# Altium PCB PCB1.pcbdoc (part 2 of 3)
Units mil, origin at the board's own origin, x right, y up, seen from the top; angles counter-clockwise.
Board outline 13400.91 x 6761.77 mil, 2 copper layers (Top Layer, Bottom Layer); 395 components, 233 nets, 925 pads, 452 vias.
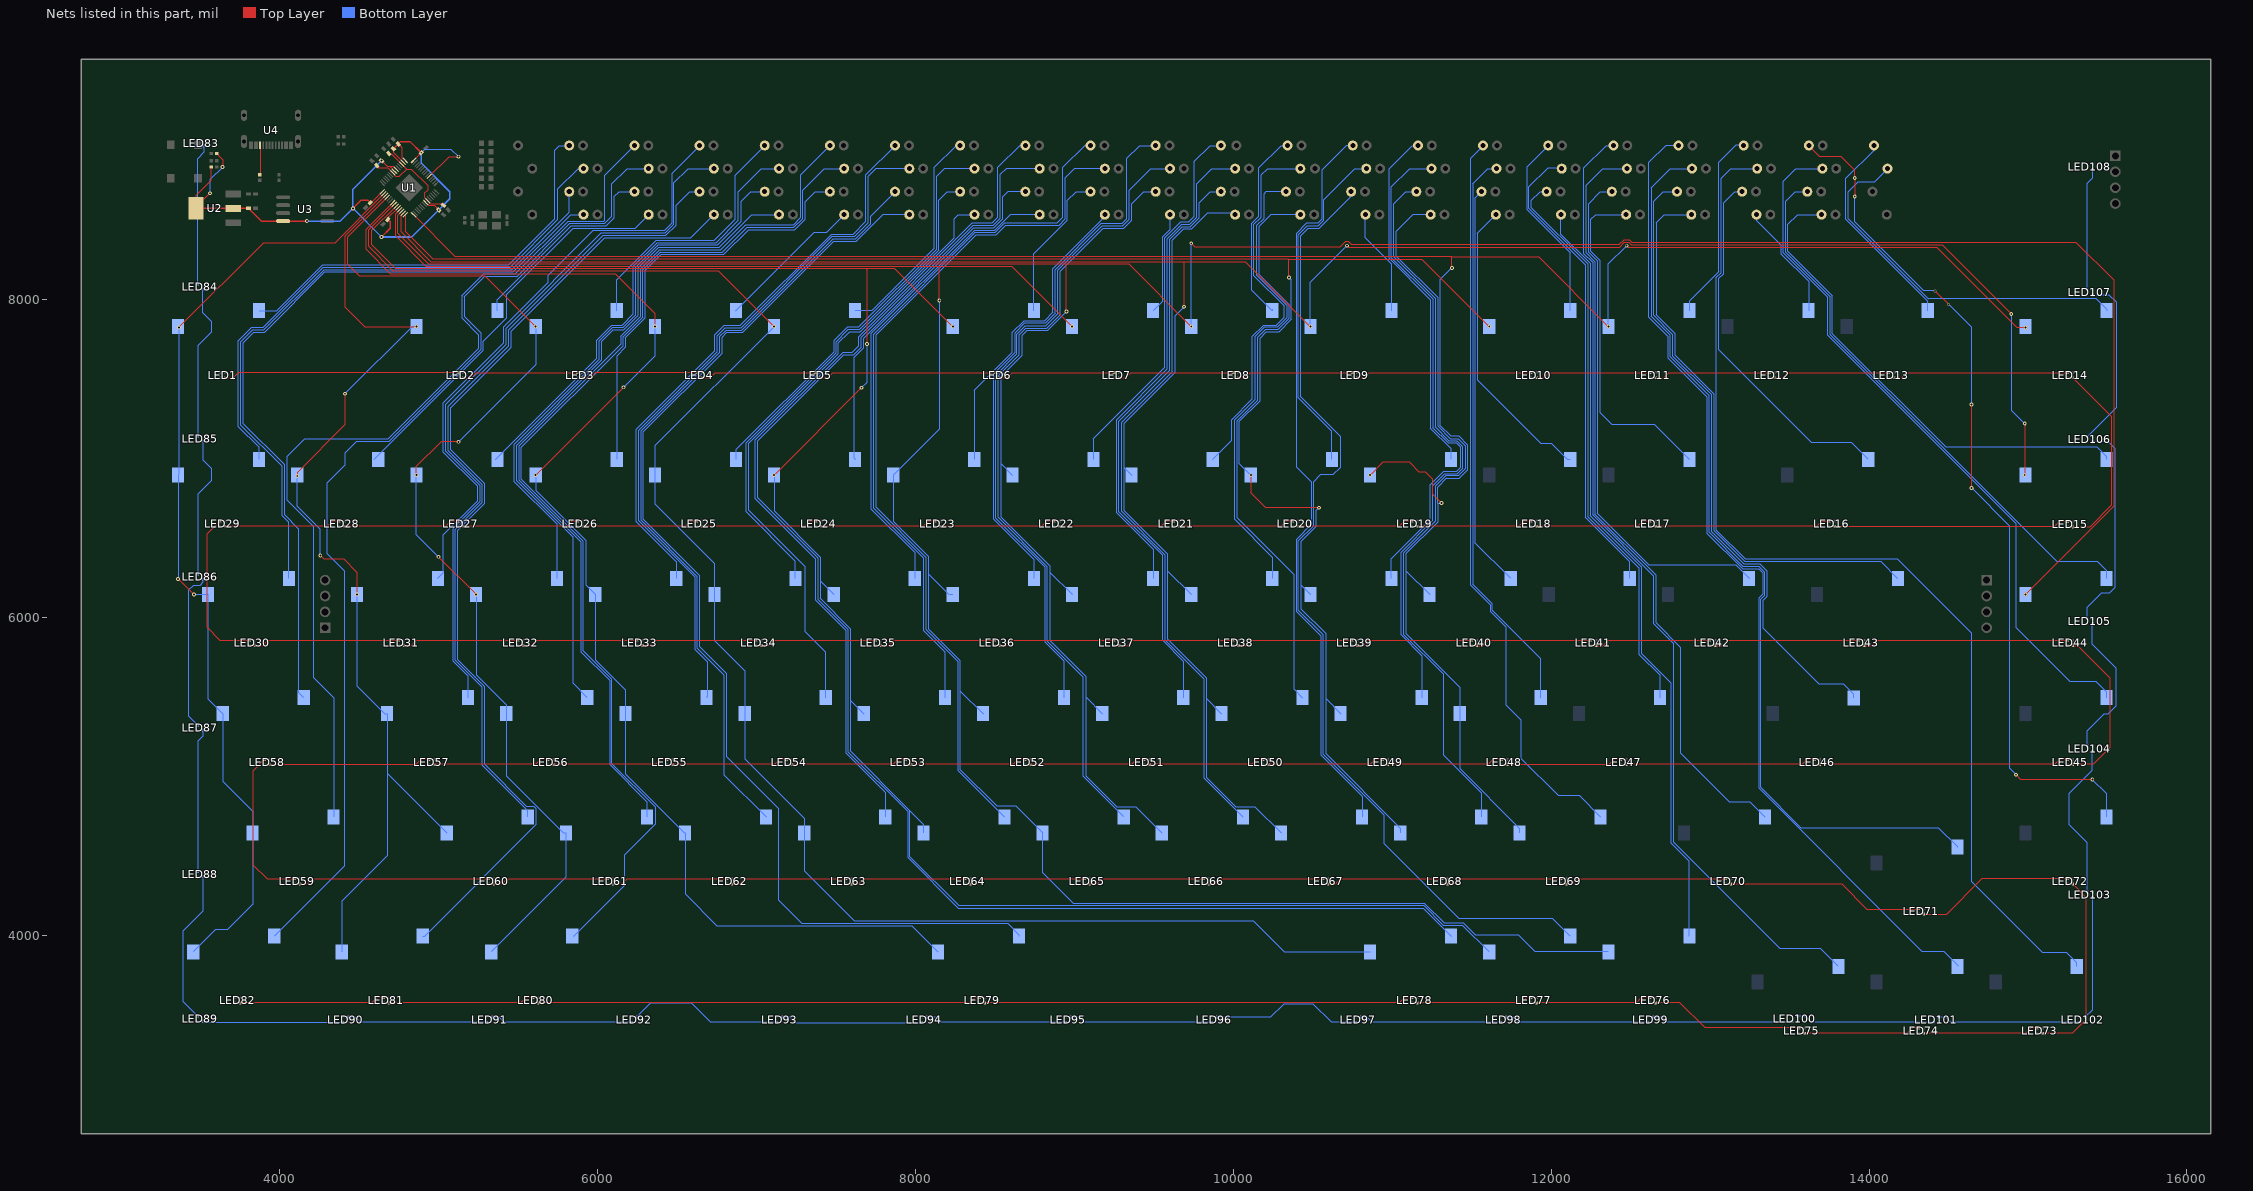
[diagram p2: the nets of this part, all layers, seen from the top]

## Via types
v1: diameter 19.68, hole 11.81, Top Layer to Bottom Layer, 279 vias
v2: diameter 24.02, hole 12.01, Top Layer to Bottom Layer, 172 vias
v3: diameter 24.02, hole 11.81, Top Layer to Bottom Layer, 1 vias

## Nets (pads, with @x,y where several pads share a name; then routed paths per layer and width w, separated by ;. In a path a pad name is that pad's centre, name@x,y a point inside that pad or via, vN(x,y) a via of type N, cw(c..) or ccw(c..) an arc to the next point about the centre after c; other vN are vias at no path point) (continued)
$1N279593: R21.2 U4.B5 | length 184.9
  Top Layer w5: R21.2@3875,8784.83 3876.1,8785.93 U4.B5@3876.1,8969.24
$1N381195: D1.2 SW2.2 | length 2634.8
  Bottom Layer w5: SW2.2@3869.92,7928.73 3980,7928.73 4269.06,8217.79 5440,8217.79 5730,8507.79 5730,8939.46 5758.33,8967.79 D1.2@5821.42,8967.79
$1N381283: D7.2 SW3.2 | length 1291.3
  Bottom Layer w5: SW3.2@5369.92,7928.73 5369.92,7997.71 5835,8462.79 6055,8462.79 6105,8512.79 6105,8647.79 6135,8677.79 D7.2@6231.42,8677.79
$1N381338: D13.2 SW4.2 | length 1638.7
  Bottom Layer w5: SW4.2@6119.92,7928.73 6119.92,8122.71 6370,8372.79 6735,8372.79 6865,8502.79 6865,8781.37 D13.2@7051.42,8967.79
$1N381379: D20.2 SW5.2 | length 931.7
  Bottom Layer w5: SW5.2@6869.92,7928.73 7363.98,8422.79 7441.42,8422.79 D20.2@7551.42,8532.79
$1N381432: D25.2 SW6.2 | length 1390.6
  Bottom Layer w5: SW6.2@7619.92,7928.73 7725.94,7928.73 8115,8317.79 8115,8827.79 8255,8967.79 D25.2@8281.42,8967.79
$1N381485: D35.2 SW7.2 | length 950.3
  Bottom Layer w5: SW7.2@8744.92,7928.73 8744.92,8287.71 8955,8497.79 8955,8622.79 9010,8677.79 D35.2@9101.42,8677.79
$1N381538: D40.2 SW8.2 | length 648.2
  Bottom Layer w5: SW8.2@9494.92,7928.73 9555,7988.81 9555,8392.79 9601.42,8439.21 D40.2@9601.42,8532.79
$1N381591: D45.2 SW9.2 | length 1221
  Bottom Layer w5: SW9.2@10244.92,7938.81 SW9.2@10244.92,7928.73 10115,8058.65 10115,8477.79 10160,8522.79 10160,8827.79 10300,8967.79 D45.2@10341.42,8967.79
$1N381644: D52.2 SW10.2 | length 671.8
  Bottom Layer w5: D52.2@10831.42,8532.79 10831.42,8386.37 10994.92,8222.87 SW10.2@10994.92,7928.73
$1N381697: D61.2 SW11.2 | length 1209.4
  Bottom Layer w5: D61.2@11981.42,8967.79 11845,8831.37 11845,8567.79 12119.92,8292.87 SW11.2@12119.92,7928.73
$1N381749: D73.2 SW12.2 | length 1214.8
  Bottom Layer w5: SW12.2@12869.92,7928.73 12869.92,7987.79 13055,8172.87 13055,8862.79 13165,8972.79 13206.42,8972.79 D73.2@13211.42,8967.79
$1N381802: D76.2 SW13.2 | length 740.1
  Bottom Layer w5: D76.2@13291.42,8532.79 13291.42,8498.79 13445,8345.21 13445,8287.79 13619.92,8112.87 SW13.2@13619.92,7928.73
$1N381855: D81.2 SW14.2 | length 1325.4
  Bottom Layer w5: D81.2@14031.42,8967.79 14031.42,8939.21 13855,8762.79 13855,8502.71 14369.92,7987.79 SW14.2@14369.92,7928.73
$1N381908: D2.2 SW15.2 | length 3532.1
  Bottom Layer w5: SW15.2@3869.92,6993.73 3869.92,7068.81 3740,7198.73 3740,7738.73 3825,7823.73 3895,7823.73 4274.06,8202.79 5450,8202.79 5750,8502.79 5750,8695.37 5877.42,8822.79 D2.2@5911.42,8822.79
$1N381963: D8.2 SW16.2 | length 2483.4
  Bottom Layer w5: SW16.2@4595,6993.73 5280,7678.73 5280,7736.33 5425,7881.33 5425,8027.79 5845,8447.79 6236.42,8447.79 D8.2@6321.42,8532.79
$1N382018: D14.2 SW17.2 | length 2892
  Bottom Layer w5: SW17.2@5355,6993.73 5360,6993.73 5995,7628.73 5995,7743.73 6090,7838.73 6155,7838.73 6225,7908.73 6225,8207.79 6375,8357.79 6745,8357.79 6885,8497.79 6885,8677.79 7030,8822.79 D14.2@7141.42,8822.79
$1N382073: D19.2 SW18.2 | length 2694.5
  Bottom Layer w5: SW18.2@6119.92,6993.73 6119.92,7643.65 6175,7698.73 6175,7758.73 6300,7883.73 6300,8182.79 6400,8282.79 6795,8282.79 6950,8437.79 7240,8437.79 7305,8502.79 7305,8612.79 7370,8677.79 D19.2@7461.42,8677.79
$1N382128: D26.2 SW19.2 | length 2604.7
  Bottom Layer w5: SW19.2@6869.92,6993.73 6869.92,7053.65 7485,7668.73 7485,7738.73 7570,7823.73 7640.94,7823.73 8130,8312.79 8130,8772.79 8180,8822.79 D26.2@8371.42,8822.79
$1N382183: D31.2 SW20.2 | length 2274.6
  Bottom Layer w5: SW20.2@7619.92,6993.73 7610,7003.65 7610,7633.73 7670,7693.73 7670,7752.79 8365,8447.79 8490,8447.79 8545,8502.79 8545,8642.79 8580,8677.79 D31.2@8691.42,8677.79
$1N382238: D36.2 SW21.2 | length 1955.5
  Bottom Layer w5: SW21.2@8369.92,6993.73 8369.92,7428.65 8610,7668.73 8610,7793.73 8680,7863.73 8810,7863.73 8865,7918.73 8865,8192.79 9191.42,8519.21 D36.2@9191.42,8532.79
$1N382293: D41.2 SW22.2 | length 2374.2
  Bottom Layer w5: SW22.2@9119.92,6993.73 9119.92,7123.65 9570,7573.73 9570,8387.79 9670,8487.79 9720,8487.79 9755,8522.79 9755,8867.79 9855,8967.79 D41.2@9921.42,8967.79
$1N382348: D46.2 SW23.2 | length 2382.7
  Bottom Layer w5: SW23.2@9869.92,6993.73 9990,7113.81 9990,7243.73 10120,7373.73 10120,7768.73 10190,7838.73 10270,7838.73 10320,7888.73 10320,7958.73 10130,8148.73 10130,8472.79 10175,8517.79 10175,8782.79 10215,8822.79 D46.2@10421.42,8822.79
$1N382403: D50.2 SW24.2 | length 2177.3
  Bottom Layer w5: SW24.2@10619.92,6993.73 10619.92,7168.81 10407.85,7380.88 10407.85,8405.64 10465,8462.79 10535,8462.79 10570,8497.79 10570,8627.79 10765,8822.79 D50.2@10836.42,8822.79
$1N382457: D53.2 SW25.2 | length 2232
  Bottom Layer w5: D53.2@11161.42,8967.79 11125,8967.79 10980,8822.79 10980,8257.79 11240,7997.79 11240,7188.73 11369.92,7058.81 SW25.2@11369.92,6993.73
$1N382512: D60.2 SW26.2 | length 1879.3
  Bottom Layer w5: D60.2@11651.42,8532.79 11535,8416.37 11535,7493.73 11935,7093.73 12000,7093.73 12100,6993.73 SW26.2@12119.92,6993.73
$1N382567: D68.2 SW27.2 | length 2157.8
  Bottom Layer w5: D68.2@12471.42,8532.79 12280,8532.79 12250,8502.79 12250,8302.79 12305,8247.79 12305,7288.73 12380,7213.73 12649.92,7213.73 SW27.2@12869.92,6993.73
$1N382622: D75.2 SW28.2 | length 2307.6
  Bottom Layer w5: D75.2@13201.42,8677.79 13155,8677.79 13085,8607.79 13085,8162.79 13055,8132.79 13055,7683.73 13640,7098.73 13889.92,7098.73 SW28.2@13994.92,6993.73
$1N382674: D3.2 SW29.2 | length 4148
  Bottom Layer w5: SW29.2@4057.32,6243.73 4055,6246.06 4055,6598.73 4015,6638.73 4015,6948.73 3755,7208.73 3755,7733.73 3830,7808.73 3900,7808.73 4279.06,8187.79 5460,8187.79 5821.42,8549.21 D3.2@5821.42,8677.79
$1N382731: D9.2 SW30.2 | length 3847.8
  Bottom Layer w5: SW30.2@4994.92,6243.73 5030,6278.81 5030,6518.73 5245,6733.73 5245,6823.73 5030,7038.73 5030,7348.73 5409.35,7728.09 5409.35,7828.09 5688.93,8107.66 5688.93,8151.72 5970,8432.79 6420,8432.79 6465,8477.79 6465,8791.37 D9.2@6641.42,8967.79
$1N382788: D15.2 SW31.2 | length 3507.2
  Bottom Layer w5: SW31.2@5744.92,6243.73 5744.92,6583.81 5475,6853.73 5475,7088.73 6010,7623.73 6010,7738.73 6095,7823.73 6160,7823.73 6240,7903.73 6240,8202.79 6380,8342.79 6755,8342.79 6905,8492.79 6905,8617.79 6965,8677.79 D15.2@7051.42,8677.79
$1N382845: D21.2 SW32.2 | length 3643.6
  Bottom Layer w5: SW32.2@6494.92,6243.73 6494.92,6348.81 6240,6603.73 6240,7178.73 6735,7673.73 6735,7773.73 6795,7833.73 6895,7833.73 7469.06,8407.79 7605,8407.79 7685,8487.79 7685,8781.37 D21.2@7871.42,8967.79
$1N382902: D27.2 SW33.2 | length 3209.4
  Bottom Layer w5: SW33.2@7244.92,6243.73 7244.92,6353.81 6935,6663.73 6935,7098.73 7500,7663.73 7500,7733.73 7575,7808.73 7645.94,7808.73 8145,8307.79 8145,8622.79 8200,8677.79 D27.2@8281.42,8677.79
$1N382959: D32.2 SW34.2 | length 3025
  Bottom Layer w5: SW34.2@7994.92,6243.73 7994.92,6408.81 7720,6683.73 7720,7782.79 8370,8432.79 8495,8432.79 8595,8532.79 D32.2@8781.42,8532.79
$1N383016: D37.2 SW35.2 | length 3464.4
  Bottom Layer w5: SW35.2@8744.92,6243.73 8744.92,6363.81 8490,6618.73 8490,7528.73 8624.14,7662.87 8624.14,7787.87 8685,7848.73 8815,7848.73 8880,7913.73 8880,8187.79 9170,8477.79 9300,8477.79 9330,8507.79 9330,8887.79 9410,8967.79 D37.2@9511.42,8967.79
$1N383073: D42.2 SW36.2 | length 3098.5
  Bottom Layer w5: SW36.2@9494.92,6243.73 9494.92,6428.81 9265,6658.73 9265,7243.73 9585,7563.73 9585,8382.79 9675,8472.79 9725,8472.79 9770,8517.79 9770,8727.79 9865,8822.79 D42.2@10011.42,8822.79
$1N383130: D47.2 SW37.2 | length 2947
  Bottom Layer w5: SW37.2@10244.92,6243.73 10244.92,6378.81 10005,6618.73 10005,7238.73 10135,7368.73 10135,7763.73 10195,7823.73 10275,7823.73 10335,7883.73 10335,7963.73 10145,8153.73 10145,8462.79 10190,8507.79 10190,8662.79 10205,8677.79 D47.2@10331.42,8677.79
$1N383187: D54.2 SW38.2 | length 3199.7
  Bottom Layer w5: SW38.2@10994.92,6243.73 10994.92,6368.65 11240,6613.73 11240,6833.73 11325,6918.73 11405,6918.73 11430,6943.73 11430,7068.73 11405,7093.73 11355,7093.73 11255,7193.73 11255,8002.79 10995,8262.79 10995,8707.79 11110,8822.79 D54.2@11246.42,8822.79
$1N383243: D59.2 SW39.2 | length 2544.4
  Bottom Layer w5: D59.2@11561.42,8677.79 11520,8636.37 11520,6468.65 SW39.2@11744.92,6243.73
$1N383300: D62.2 SW40.2 | length 2985.2
  Bottom Layer w5: D62.2@12066.42,8822.79 12061.42,8827.79 11980,8827.79 11860,8707.79 11860,8572.79 12215,8217.79 12215,6628.73 12494.92,6348.81 SW40.2@12494.92,6243.73
$1N383357: D67.2 SW41.2 | length 3274.1
  Bottom Layer w5: D67.2@12381.42,8677.79 12310,8677.79 12235,8602.79 12235,8297.79 12290,8242.79 12290,6653.73 12615,6328.73 13159.92,6328.73 SW41.2@13244.92,6243.73
$1N383414: D72.2 SW42.2 | length 3613.9
  Bottom Layer w5: D72.2@12881.42,8532.79 12710,8532.79 12660,8482.79 12660,7903.73 12780,7783.73 12780,7648.73 13025,7403.73 13025,6543.73 13220,6348.73 14076.69,6348.73 SW42.2@14182.12,6243.3
$1N383468: D4.2 SW1.2 | length 4866.4
  Bottom Layer w5: SW1.2@4151.42,5493.73 4120,5525.15 4120,6553.73 4030,6643.73 4030,6958.73 3770,7218.73 3770,7726.92 3836.82,7793.73 3905,7793.73 4284.06,8172.79 5470,8172.79 5830,8532.79 D4.2@5911.42,8532.79
$1N383527: D10.2 SW43.2 | length 4555.8
  Bottom Layer w5: SW43.2@5184.92,5493.73 5184.92,5628.81 5090,5723.73 5090,6558.73 5260,6728.73 5260,6828.73 5045,7043.73 5045,7338.73 5425,7718.73 5425,7818.73 6024.06,8417.79 6425,8417.79 6480,8472.79 6480,8732.79 6570,8822.79 D10.2@6731.42,8822.79
$1N383586: D16.2 SW44.2 | length 4270.2
  Bottom Layer w5: SW44.2@5934.92,5493.73 5845,5583.65 5845,6503.73 5490,6858.73 5490,7083.73 6025,7618.73 6025,7735.15 6098.58,7808.73 6165,7808.73 6255,7898.73 6255,8199.35 6383.44,8327.79 6765,8327.79 6970,8532.79 D16.2@7141.42,8532.79
$1N383645: D22.2 SW45.2 | length 4483.2
  Bottom Layer w5: SW45.2@6684.92,5493.73 6690,5498.81 6690,5718.73 6610,5798.73 6610,6253.73 6255,6608.73 6255,7173.73 6750,7668.73 6750,7768.73 6800,7818.73 6900,7818.73 7474.06,8392.79 7615,8392.79 7700,8477.79 7700,8772.79 7750,8822.79 D22.2@7961.42,8822.79
$1N383704: D28.2 SW46.2 | length 3928.7
  Bottom Layer w5: SW46.2@7434.92,5493.73 7434.92,5778.49 7305,5908.41 7305,6318.73 6950,6673.73 6950,7093.73 7515,7658.73 7515,7726.16 7582.26,7793.42 7650.63,7793.42 8245,8387.79 8245,8508.73 8269.06,8532.79 D28.2@8371.42,8532.79
$1N383763: D33.2 SW47.2 | length 4514.8
  Bottom Layer w5: SW47.2@8184.92,5493.73 8184.92,5783.81 8050,5918.73 8050,6373.73 7735,6688.73 7735,7778.73 8374.06,8417.79 8500,8417.79 8560,8477.79 8890,8477.79 8925,8512.79 8925,8827.79 9065,8967.79 D33.2@9101.42,8967.79
$1N383822: D38.2 SW48.2 | length 4184.7
  Bottom Layer w5: SW48.2@8934.92,5493.73 8934.92,5723.81 8815,5843.73 8815,6313.73 8505,6623.73 8505,7523.73 8638.28,7657.02 8638.28,7782.02 8690,7833.73 8820,7833.73 8895,7908.73 8895,8182.79 9175,8462.79 9305,8462.79 9345,8502.79 9345,8687.79 9480,8822.79 D38.2@9601.42,8822.79
$1N383881: D43.2 SW49.2 | length 3685.7
  Bottom Layer w5: SW49.2@9684.92,5493.73 9684.92,5723.81 9555,5853.73 9555,6388.73 9280,6663.73 9280,7233.73 9600,7553.73 9600,8377.79 9680,8457.79 9730,8457.79 9785,8512.79 9785,8607.79 9855,8677.79 D43.2@9921.42,8677.79
$1N383940: D48.2 SW50.2 | length 3689.9
  Bottom Layer w5: D48.2@10421.42,8532.79 10235,8532.79 10160,8457.79 10160,8158.73 10350,7968.73 10350,7878.73 10280,7808.73 10201.24,7808.73 10150,7757.49 10150,7363.73 10020,7233.73 10020,6629.6 10380,6269.6 10380,5548.65 SW50.2@10434.92,5493.73
$1N383999: D55.2 SW51.2 | length 3753.2
  Bottom Layer w5: D55.2@11151.42,8677.79 11085,8677.79 11010,8602.79 11010,8267.79 11270,8007.79 11270,7198.73 11360,7108.73 11410,7108.73 11445,7073.73 11445,6938.73 11410,6903.73 11330,6903.73 11255,6828.73 11255,6608.73 11055,6408.73 11055,5888.73 11184.92,5758.81 SW51.2@11184.92,5493.73
$1N384057: D58.2 SW52.2 | length 3602.9
  Bottom Layer w5: D58.2@11656.42,8822.79 11600,8822.79 11505,8727.79 11505,6208.73 11630,6083.73 11630,6043.73 11934.92,5738.81 SW52.2@11934.92,5493.73
$1N384116: D63.2 SW53.2 | length 3583.7
  Bottom Layer w5: D63.2@11971.42,8677.79 11930,8677.79 11875,8622.79 11875,8577.79 12230,8222.79 12230,6633.73 12555,6308.73 12555,5763.73 12684.92,5633.81 SW53.2@12684.92,5493.73
$1N384175: D71.2 SW54.2 | length 3985.5
  Bottom Layer w5: D71.2@12791.42,8677.79 12705,8677.79 12645,8617.79 12645,7898.73 12765,7778.73 12765,7643.73 13010,7398.73 13010,6538.73 13215,6333.73 13315,6333.73 13360,6288.73 13360,6131.75 13335,6106.75 13335,5931.94 13688.2,5578.73 13840,5578.73 13903.45,5515.28 SW54.2@13903.45,5493
$1N384234: D78.2 SW55.2 | length 4468.2
  Bottom Layer w5: D78.2@13706.42,8822.79 13540,8822.79 13460,8742.79 13460,8292.79 13740,8012.79 13740,7773.73 14925,6588.73 14925,5933.73 15265,5593.73 15430,5593.73 15494.92,5528.81 SW55.2@15494.92,5493.73
$1N384290: D5.2 SW56.2 | length 5894.8
  Bottom Layer w5: SW56.2@4338.58,4743.73 4338.58,5493.85 4210,5622.44 4210,6573.28 4045,6738.28 4045,7008.73 4155,7118.73 4680,7118.73 5250,7688.73 5250,7778.73 5145,7883.73 5145,8022.79 5280,8157.79 5480,8157.79 5815,8492.79 6040,8492.79 6045,8497.79 6045,8781.37 D5.2@6231.42,8967.79
$1N384351: D11.2 SW57.2 | length 5204.9
  Bottom Layer w5: SW57.2@5559.92,4743.73 5559.92,4783.81 5274.76,5068.98 5274.76,5558.98 5105,5728.73 5105,6553.73 5275,6723.73 5275,6833.73 5060,7048.73 5060,7328.73 5440,7708.73 5440,7808.73 6034.06,8402.79 6430,8402.79 6495,8467.79 6495,8592.79 6580,8677.79 D11.2@6641.42,8677.79
$1N384412: D17.2 SW58.2 | length 5769.1
  Bottom Layer w5: SW58.2@6309.92,4743.73 6309.92,4838.81 6075,5073.73 6075,5603.73 5895,5783.73 5895,6473.73 5505,6863.73 5505,7076.13 6145.51,7716.64 6145.51,7769.24 6270,7893.73 6270,8192.79 6390,8312.79 6775,8312.79 6930,8467.79 7230,8467.79 7275,8512.79 7275,8781.37 D17.2@7461.42,8967.79
$1N384473: D23.2 SW59.2 | length 5065.7
  Bottom Layer w5: SW59.2@7059.92,4743.73 6795,5008.65 6795,5638.73 6625,5808.73 6625,6258.73 6270,6613.73 6270,7168.73 6765,7663.73 6765,7763.73 6805,7803.73 6905,7803.73 7479.06,8377.79 7620,8377.79 7715,8472.79 7715,8521.37 D23.2@7871.42,8677.79
$1N384534: D29.2 SW60.2 | length 5397.6
  Bottom Layer w5: SW60.2@7809.92,4743.73 7809.92,4898.81 7560,5148.73 7560,5918.73 7370,6108.73 7370,6367.77 6990,6747.77 6990,7112.79 7540.94,7663.73 7600,7663.73 7640,7703.73 7640,7762.79 8355,8477.79 8480,8477.79 8515,8512.79 8515,8827.79 8655,8967.79 D29.2@8691.42,8967.79
$1N384595: D34.2 SW61.2 | length 5393.7
  Bottom Layer w5: SW61.2@8559.92,4743.73 8265,5038.65 8265,5723.73 8065,5923.73 8065,6378.73 7750,6693.73 7750,7773.73 8379.06,8402.79 8505,8402.79 8565,8462.79 8900,8462.79 8940,8502.79 8940,8762.79 9000,8822.79 D34.2@9191.42,8822.79
$1N384656: D39.2 SW62.2 | length 4869
  Bottom Layer w5: SW62.2@9309.92,4743.73 9055,4998.65 9055,5623.73 8830,5848.73 8830,6318.73 8520,6628.73 8520,7518.73 8652.55,7651.28 8652.55,7776.28 8695,7818.73 8825,7818.73 8910,7903.73 8910,8177.79 9180,8447.79 9310,8447.79 9360,8497.79 9360,8602.79 9435,8677.79 D39.2@9511.42,8677.79
$1N384717: D44.2 SW63.2 | length 4549.4
  Bottom Layer w5: D44.2@10011.42,8532.79 10001.42,8542.79 9835,8542.79 9735,8442.79 9685,8442.79 9615,8372.79 9615,7543.73 9295,7223.73 9295,6668.73 9570,6393.73 9570,5858.73 9815,5613.73 9815,4988.65 SW63.2@10059.92,4743.73
$1N384778: D49.2 SW64.2 | length 4686.7
  Bottom Layer w5: D49.2@10751.42,8967.79 10710,8967.79 10555,8812.79 10555,8502.79 10530,8477.79 10460,8477.79 10396,8413.78 10396,6947.74 10490,6853.73 10490,6583.73 10395,6488.73 10395,6038.73 10550,5883.73 10550,5133.73 10809.92,4873.81 SW64.2@10809.92,4743.73
$1N384839: D56.2 SW65.2 | length 4564.8
  Bottom Layer w5: D56.2@11241.42,8532.79 11130,8532.79 11025,8427.79 11025,8272.79 11285,8012.79 11285,7203.73 11365,7123.73 11415,7123.73 11460,7078.73 11460,6933.73 11415,6888.73 11335,6888.73 11270,6823.73 11270,6603.73 11070,6403.73 11070,5893.73 11320,5643.73 11320,5134.83 11559.92,4894.91 SW65.2@11559.92,4743.73
$1N384888: D57.2 SW66.2 | length 4673.5
  Bottom Layer w5: D57.2@11571.42,8967.79 11490,8886.37 11490,6203.73 11615,6078.73 11615,6038.73 11715,5938.73 11715,5448.73 11810,5353.73 11810,5113.73 12045,4878.73 12175,4878.73 SW66.2@12309.92,4743.81
$1N384949: D66.2 SW67.2 | length 4816
  Bottom Layer w5: D66.2@12476.42,8822.79 12325,8822.79 12220,8717.79 12220,8292.79 12275,8237.79 12275,6648.73 12660,6263.73 12660,5963.73 12815,5808.73 12815,5143.73 13120,4838.73 13249.92,4838.73 SW67.2@13344.92,4743.73
$1N385010: D70.2 SW68.2 | length 5839.6
  Bottom Layer w5: D70.2@12886.42,8822.79 12750,8822.79 12630,8702.79 12630,7893.73 12750,7773.73 12750,7638.73 12995,7393.73 12995,6533.73 13210,6318.73 13310,6318.73 13345,6283.73 13345,6138.73 13320,6113.73 13320,4928.73 13575,4673.73 14440,4673.73 14557.48,4556.25 SW68.2@14557.48,4553.73
$1N385071: D77.2 SW69.2 | length 5383.5
  Top Layer w5: D77.2@13621.42,8967.79 13691.42,8897.79 13825,8897.79 13910,8812.79 v2(13910,8762.79) v3(13910,8647.79) ; v1(14415,8053.73) v1(14500,7968.73) ; v2(14645,6813.73) v2(14645,7338.73) ; v2(14925,5008.73) 14955,4978.73 v2(15405,4978.73)
  Bottom Layer w5: v3(13910,8647.79) 13910,8487.79 14344.06,8053.73 v1(14415,8053.73) ; v1(14500,7968.73) 14645,7823.73 v2(14645,7338.73) ; v2(14645,6813.73) 14885,6573.73 14885,5048.73 v2(14925,5008.73) ; v2(15405,4978.73) 15494.92,4888.81 SW69.2@15494.92,4743.73
$1N385129: D6.2 SW70.2 | length 6432.2
  Bottom Layer w5: SW70.2@3964.92,3993.73 4405,4433.81 4405,6293.73 4295,6403.73 4295,6843.73 4408.48,6957.21 4408.48,7032.21 4480,7103.73 4685,7103.73 5265,7683.73 5265,7788.73 5160,7893.73 5160,8017.79 5285,8142.79 5490,8142.79 5825,8477.79 6045,8477.79 6090,8522.79 6090,8727.79 6185,8822.79 D6.2@6321.42,8822.79
$1N385178: D12.2 SW71.2 | length 6237.3
  Bottom Layer w5: SW71.2@4899.92,3993.73 4912.4,3993.73 5615,4696.33 5615,4793.73 5600,4808.73 5555,4808.73 5290,5073.73 5290,5563.73 5120,5733.73 5120,6548.73 5290,6718.73 5290,6838.73 5075,7053.73 5075,7318.73 5455,7698.73 5455,7798.73 6044.06,8387.79 6586.42,8387.79 D12.2@6731.42,8532.79
$1N385227: D18.2 SW72.2 | length 6709.2
  Bottom Layer w5: SW72.2@5849.96,3993.69 6170,4313.73 6170,4506.16 6365,4701.16 6365,4803.73 6090,5078.73 6090,5608.73 5910,5788.73 5910,6478.73 5520,6868.73 5520,7068.73 6160,7708.73 6160,7763.73 6285,7888.73 6285,8187.79 6395,8297.79 6785,8297.79 6940,8452.79 7235,8452.79 7290,8507.79 7290,8687.79 7425,8822.79 D18.2@7551.42,8822.79
$1N385276: D24.2 SW73.2 | length 7210.8
  Bottom Layer w5: D24.2@7961.42,8532.79 7795,8532.79 7625,8362.79 7484.06,8362.79 6910,7788.73 6810,7788.73 6780,7758.73 6780,7658.73 6285,7163.73 6285,6618.73 6640,6263.73 6640,5817.31 6810,5647.31 6810,5123.73 7135,4798.73 7135,4223.73 7285,4073.73 8580,4073.73 8651.12,4002.62 SW73.2@8651.12,3993.73
$1N385325: D30.2 SW74.2 | length 9319.3
  Bottom Layer w5: D30.2@8781.42,8822.79 8570,8822.79 8530,8782.79 8530,8507.79 8485,8462.79 8360,8462.79 7655,7757.79 7655,7696.37 7607.36,7648.73 7545.94,7648.73 7005,7107.79 7005,6753.73 7385,6373.73 7385,6113.73 7575,5923.73 7575,5153.07 7950,4778.07 7950,4488.73 8270,4168.73 11194.92,4168.73 SW74.2@11369.92,3993.73
$1N385374: D51.2 SW75.2 | length 6174.3
  Bottom Layer w5: D51.2@10741.42,8677.79 10741.42,8649.21 10540,8447.79 10470,8447.79 10420,8397.79 10420,7390.05 10675,7135.05 10675,6943.73 10630,6898.73 10550,6898.73 10505,6853.73 10505,6575.22 10410,6480.22 10410,6043.73 10565,5888.73 10565,5138.15 10950,4753.15 10950,4573.73 11420,4103.73 12009.92,4103.73 SW75.2@12119.92,3993.73
$1N385423: D64.2 SW76.2 | length 4873.9
  Bottom Layer w5: D64.2@12061.42,8532.79 12061.42,8411.37 12245,8227.79 12245,6638.73 12570,6313.73 12570,5768.73 12755,5583.73 12755,4578.73 12869.92,4463.81 SW76.2@12869.92,3993.73
$1N385513: D79.2 SW77.2 | length 3521.4
  Bottom Layer w5: D79.2@13611.42,8677.79 13535,8677.79 13475,8617.79 13475,8297.79 13755,8017.79 13755,7778.73 15185,6348.73 15440,6348.73 15494.92,6293.81 SW77.2@15494.92,6243.73
$1N385562: D80.2 SW78.2 | length 3102.3
  Bottom Layer w5: D80.2@13701.42,8532.79 13550,8532.79 13490,8472.79 13490,8302.79 13770,8022.79 13770,7783.73 14485,7068.73 15435,7068.73 15494.92,7008.81 SW78.2@15494.92,6993.73
$1N385645: D82.2 SW79.2 | length 2347.2
  Bottom Layer w5: D82.2@14116.42,8822.79 14031.42,8737.79 13930,8737.79 13870,8677.79 13870,8507.79 14374.06,8003.73 15430,8003.73 15494.92,7938.81 SW79.2@15494.92,7928.73
$1N385694: D65.2 SW82.2 | length 6082.8
  Bottom Layer w5: D65.2@12391.42,8967.79 12345,8967.79 12205,8827.79 12205,8287.79 12260,8232.79 12260,6643.73 12645,6258.73 12645,5958.73 12770,5833.73 12770,4583.73 13440,3913.73 13697.23,3913.73 SW82.2@13807.23,3803.73
$1N385777: D69.2 SW80.2 | length 6253.2
  Bottom Layer w5: D69.2@12801.42,8967.79 12720,8967.79 12615,8862.79 12615,7888.73 12735,7768.73 12735,7633.73 12980,7388.73 12980,6528.73 13205,6303.73 13305,6303.73 13330,6278.73 13330,6143.73 13305,6118.73 13305,4926.51 14332.77,3898.73 14470,3898.73 14557.31,3811.42 SW80.2@14557.31,3803.73